# KiCad board squishy-main.kicad_pcb (continued)
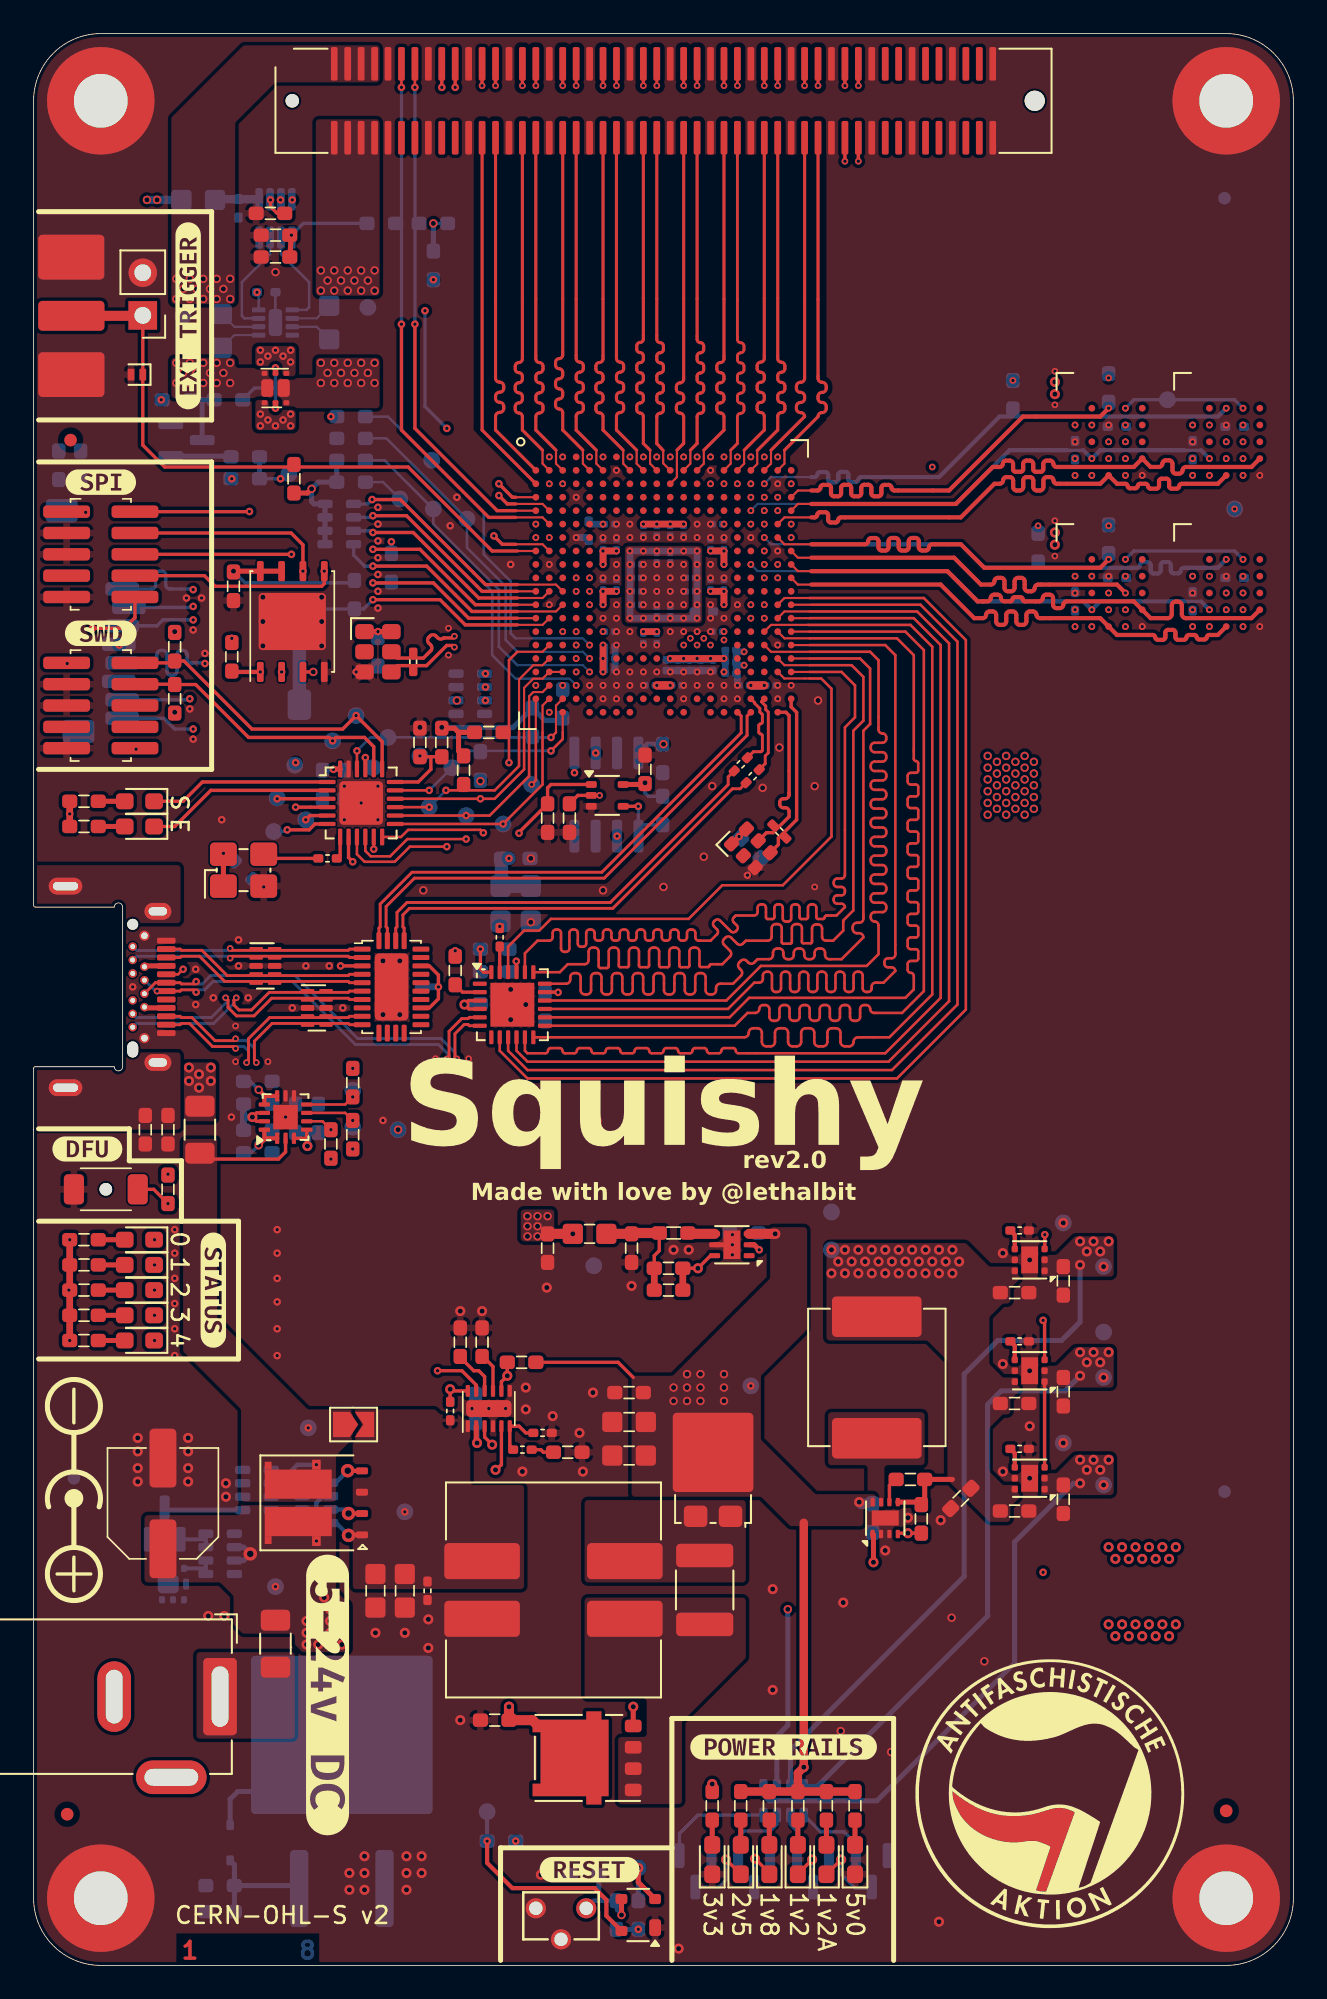
[diagram p0: board, top side]
## Routing (per net, layer and track width the routed paths; a pad name or vN(x,y) marks a point on that pad's centre or on a via; arc(x,y) is an arc through that point) (continued)
/PHY.DBH_DIR: length 21.9
  Top w0.186: J7.24 26.7,91.4 U1.C1
/PHY.DBL_DIR: length 21.9
  Top w0.127: 31.1,90.2 31.1,89.4 U1.B3
  Top w0.186: 31.1,90.2 29.9,91.4 29.9,92.2 arc(29.96,92.35) 30.11,92.41 arc(30.26,92.48) 30.33,92.63 30.33,92.8 arc(30.26,92.95) 30.11,93.01 arc(29.96,93.08) 29.9,93.23 29.9,93.4 arc(29.96,93.55) 30.11,93.61 arc(30.26,93.68) 30.33,93.83 30.33,94 arc(30.26,94.15) 30.11,94.21 arc(29.96,94.28) 29.9,94.43 29.9,94.6 arc(29.96,94.75) 30.11,94.81 arc(30.26,94.88) 30.33,95.03 30.33,95.2 arc(30.26,95.35) 30.11,95.41 arc(29.96,95.48) 29.9,95.63 J7.32
/PHY.DP0: length 21.9
  Top w0.127: 36.7,90.2 36.7,89.4 U1.B10
  Top w0.186: J7.48 36.3,96.81 arc(36.24,96.67) 36.1,96.61 arc(35.96,96.55) 35.91,96.42 35.91,96.21 arc(35.96,96.07) 36.1,96.01 arc(36.24,95.95) 36.3,95.82 36.3,95.61 arc(36.24,95.47) 36.1,95.41 arc(35.96,95.35) 35.91,95.22 35.91,95.01 arc(35.96,94.87) 36.1,94.81 arc(36.24,94.75) 36.3,94.62 36.3,94.41 arc(36.24,94.27) 36.1,94.21 arc(35.96,94.15) 35.91,94.02 35.91,93.81 arc(35.96,93.67) 36.1,93.61 arc(36.24,93.55) 36.3,93.42 36.3,93.21 arc(36.24,93.07) 36.1,93.01 arc(35.96,92.95) 35.91,92.82 35.91,92.61 arc(35.96,92.47) 36.1,92.41 arc(36.24,92.35) 36.3,92.22 36.3,90.6 36.7,90.2
/PHY.DP1: length 25.4
  Top w0.186: J7.35 v3(31.5,111.9)
  In2.Cu w0.177: v3(33.1,89.8) 31.5,91.4 31.5,92.17 arc(31.44,92.31) 31.3,92.37 arc(31.16,92.43) 31.11,92.57 31.11,92.77 arc(31.16,92.91) 31.3,92.97 arc(31.44,93.03) 31.5,93.17 31.5,93.37 arc(31.44,93.51) 31.3,93.57 arc(31.16,93.63) 31.11,93.77 31.11,93.97 arc(31.16,94.11) 31.3,94.17 arc(31.44,94.23) 31.5,94.37 31.5,94.57 arc(31.44,94.71) 31.3,94.77 arc(31.16,94.83) 31.11,94.97 31.11,95.17 arc(31.16,95.31) 31.3,95.37 arc(31.44,95.43) 31.5,95.57 v3(31.5,111.9)
/PHY.I/O: length 21.9
  Top w0.127: 42.3,90.2 42.3,89.4 U1.B16
  Top w0.186: 42.3,90.2 43.5,91.4 43.5,92.23 arc(43.44,92.38) 43.29,92.44 arc(43.14,92.5) 43.07,92.66 43.07,92.83 arc(43.14,92.98) 43.29,93.04 arc(43.44,93.1) 43.5,93.26 43.5,93.43 arc(43.44,93.58) 43.29,93.64 arc(43.14,93.7) 43.07,93.86 43.07,94.03 arc(43.14,94.18) 43.29,94.24 arc(43.44,94.3) 43.5,94.46 43.5,94.63 arc(43.44,94.78) 43.29,94.84 arc(43.14,94.9) 43.07,95.06 43.07,95.23 arc(43.14,95.38) 43.29,95.44 arc(43.44,95.5) 43.5,95.66 J7.66
/PHY.ID_SCL: length 32.9
  Top w0.127: 28.7,86.2 30.3,86.2 U1.F2
  Top w0.152: J7.11 v2(21.9,111.8)
  Top w0.2: v2(21.9,97.7) 21.9,91.4 27.1,86.2 28.7,86.2
  Bottom w0.2: v2(21.9,97.7) v2(21.9,111.8)
/PHY.ID_SDA: length 30.9
  Top w0.127: U1.E1 28.7,86.6
  Top w0.152: J7.13 v2(22.7,111.8)
  Top w0.2: 28.7,86.6 27.6,86.6 22.7,91.5 v2(22.7,97.7)
  Bottom w0.2: v2(22.7,97.7) v2(22.7,111.8)
/PHY.INIT_DIR: length 21.9
  Top w0.127: U1.B12 39.1,89.4 39.1,90.2
  Top w0.186: J7.56 39.5,96.8 arc(39.56,96.66) 39.7,96.6 arc(39.84,96.54) 39.89,96.4 39.89,96.2 arc(39.84,96.06) 39.7,96 arc(39.56,95.94) 39.5,95.8 39.5,95.6 arc(39.56,95.46) 39.7,95.4 arc(39.84,95.34) 39.89,95.2 39.89,95 arc(39.84,94.86) 39.7,94.8 arc(39.56,94.74) 39.5,94.6 39.5,94.4 arc(39.56,94.26) 39.7,94.2 arc(39.84,94.14) 39.89,94 39.89,93.8 arc(39.84,93.66) 39.7,93.6 arc(39.56,93.54) 39.5,93.4 39.5,93.2 arc(39.56,93.06) 39.7,93 arc(39.84,92.94) 39.89,92.8 39.89,92.6 arc(39.84,92.46) 39.7,92.4 arc(39.56,92.34) 39.5,92.2 39.5,90.6 39.1,90.2
/PHY.LS_CTRL0: length 26.7
  Top w0.2: J7.23 v3(26.7,111.9)
  In5.Cu w0.2: v3(30.7,88.2) 27.8,91.1 27.8,93.4 26.7,94.5 v3(26.7,111.9)
/PHY.LS_CTRL1: length 26.7
  Top w0.2: J7.25 v3(27.5,111.9)
  In5.Cu w0.2: v3(27.5,111.9) 27.5,94.5 28.4,93.6 28.4,91.3 v3(31.5,88.2)
/PHY.LS_CTRL2: length 23.3
  Top w0.2: J7.78 v3(48.3,107.4)
  In5.Cu w0.127: 43.1,91 43.1,89.4 v3(41.9,88.2)
  In5.Cu w0.2: v3(48.3,107.4) 48.3,96.2 43.1,91
/PHY.LS_CTRL3: length 23.3
  Top w0.2: J7.80 v3(49.1,107.4)
  In5.Cu w0.127: 43.9,91 43.9,89.4 v3(42.7,88.2)
  In5.Cu w0.2: v3(49.1,107.4) 49.1,96.2 43.9,91
/PHY.LS_CTRL4: length 28.3
  Top w0.2: J7.77 v3(48.3,111.9)
  In5.Cu w0.127: v3(40.3,88.2) 41.5,89.4 41.5,91
  In5.Cu w0.2: 41.5,91 46.7,96.2 46.7,108.3 48.3,109.9 v3(48.3,111.9)
/PHY.LS_CTRL5: length 28.3
  Top w0.2: J7.79 v3(49.1,111.9)
  In5.Cu w0.127: 42.3,91 42.3,89.4 v3(41.1,88.2)
  In5.Cu w0.2: 42.3,91 47.5,96.2 47.5,108.3 49.1,109.9 v3(49.1,111.9)
/PHY.MSG: length 21.9
  Top w0.127: U1.B13 39.9,89.4 39.9,90.2
  Top w0.186: 39.9,90.2 41.1,91.4 41.1,92.2 arc(41.04,92.35) 40.89,92.42 arc(40.74,92.48) 40.67,92.63 40.67,92.8 arc(40.74,92.95) 40.89,93.02 arc(41.04,93.08) 41.1,93.23 41.1,93.4 arc(41.04,93.55) 40.89,93.62 arc(40.74,93.68) 40.67,93.83 40.67,94 arc(40.74,94.15) 40.89,94.22 arc(41.04,94.28) 41.1,94.43 41.1,94.6 arc(41.04,94.75) 40.89,94.82 arc(40.74,94.88) 40.67,95.03 40.67,95.2 arc(40.74,95.35) 40.89,95.42 arc(41.04,95.48) 41.1,95.63 J7.60
/PHY.REQ: length 25.4
  Top w0.17: J7.67 v3(44.3,111.9)
  In2.Cu w0.177: v3(44.3,111.9) 44.3,95.55 arc(44.36,95.41) 44.5,95.35 arc(44.64,95.3) 44.69,95.16 44.69,94.95 arc(44.64,94.81) 44.5,94.75 arc(44.36,94.7) 44.3,94.56 44.3,94.35 arc(44.36,94.21) 44.5,94.15 arc(44.64,94.1) 44.69,93.96 44.69,93.75 arc(44.64,93.61) 44.5,93.55 arc(44.36,93.5) 44.3,93.36 44.3,93.15 arc(44.36,93.01) 44.5,92.95 arc(44.64,92.9) 44.69,92.76 44.69,92.55 arc(44.64,92.41) 44.5,92.35 arc(44.36,92.3) 44.3,92.16 44.3,91.4 v3(42.7,89.8)
/PHY.RST: length 25.4
  Top w0.17: J7.55 v3(39.5,111.9)
  In2.Cu w0.177: v3(39.5,89.8) 39.5,92.2 arc(39.56,92.36) 39.72,92.42 arc(39.88,92.49) 39.94,92.64 39.94,92.8 arc(39.88,92.96) 39.72,93.02 arc(39.56,93.09) 39.5,93.24 39.5,93.4 arc(39.56,93.56) 39.72,93.62 arc(39.88,93.69) 39.94,93.84 39.94,94 arc(39.88,94.16) 39.72,94.22 arc(39.56,94.29) 39.5,94.44 39.5,94.6 arc(39.56,94.76) 39.72,94.82 arc(39.88,94.89) 39.94,95.04 39.94,95.2 arc(39.88,95.36) 39.72,95.42 arc(39.56,95.49) 39.5,95.64 39.5,95.8 arc(39.56,95.96) 39.72,96.02 arc(39.88,96.09) 39.94,96.24 39.94,96.4 arc(39.88,96.56) 39.72,96.62 arc(39.56,96.69) 39.5,96.84 v3(39.5,111.9)
/PHY.RST_DIR: length 25.4
  Top w0.186: J7.59 v3(41.1,111.9)
  In2.Cu w0.177: v3(41.1,111.9) 41.1,95.68 arc(41.03,95.52) 40.86,95.44 40.85,95.44 arc(40.68,95.37) 40.61,95.2 40.61,95.08 arc(40.68,94.92) 40.85,94.84 40.86,94.84 arc(41.03,94.77) 41.1,94.6 41.1,94.48 arc(41.03,94.32) 40.86,94.24 40.85,94.24 arc(40.68,94.17) 40.61,94 40.61,93.88 arc(40.68,93.72) 40.85,93.64 40.86,93.64 arc(41.03,93.57) 41.1,93.4 41.1,93.28 arc(41.03,93.12) 40.86,93.04 40.85,93.04 arc(40.68,92.97) 40.61,92.8 40.61,92.68 arc(40.68,92.52) 40.85,92.44 40.86,92.44 arc(41.03,92.37) 41.1,92.2 41.1,90.6 v3(40.3,89.8)
/PHY.SEL: length 25.4
  Top w0.17: J7.61 v3(41.9,111.9)
  In2.Cu w0.177: v3(41.9,111.9) 41.9,95.65 arc(41.97,95.48) 42.14,95.41 42.15,95.41 arc(42.32,95.34) 42.39,95.17 42.39,95.05 arc(42.32,94.88) 42.15,94.81 42.14,94.81 arc(41.97,94.74) 41.9,94.57 41.9,94.45 arc(41.97,94.28) 42.14,94.21 42.15,94.21 arc(42.32,94.14) 42.39,93.97 42.39,93.85 arc(42.32,93.68) 42.15,93.61 42.14,93.61 arc(41.97,93.54) 41.9,93.37 41.9,93.25 arc(41.97,93.08) 42.14,93.01 42.15,93.01 arc(42.32,92.94) 42.39,92.77 42.39,92.65 arc(42.32,92.48) 42.15,92.41 42.14,92.41 arc(41.97,92.34) 41.9,92.17 41.9,90.6 v3(41.1,89.8)
/PHY.SEL_DIR: length 25.4
  Top w0.186: J7.65 v3(43.5,111.9)
  In2.Cu w0.177: v3(43.5,111.9) 43.5,95.6 arc(43.44,95.47) 43.3,95.41 arc(43.16,95.35) 43.11,95.21 43.11,95 arc(43.16,94.87) 43.3,94.81 arc(43.44,94.75) 43.5,94.61 43.5,94.4 arc(43.44,94.27) 43.3,94.21 arc(43.16,94.15) 43.11,94.01 43.11,93.8 arc(43.16,93.67) 43.3,93.61 arc(43.44,93.55) 43.5,93.41 43.5,93.2 arc(43.44,93.06) 43.3,93.01 arc(43.16,92.95) 43.11,92.81 43.11,92.6 arc(43.16,92.46) 43.3,92.41 arc(43.44,92.35) 43.5,92.21 43.5,91.4 v3(41.9,89.8)
/PHY.TERMPW_EN: length 30.4
  Top w0.127: U1.D1 28.7,87.4
  Top w0.2: v2(27.7,88.2) 28.5,87.4 28.7,87.4 ; J7.19 v2(25.1,111.8)
  In2.Cu w0.2: v2(24.6,91.5) 24.6,91.3 v2(27.7,88.2)
  In5.Cu w0.2: v2(23.3,98.5) 23.3,110.2 24,110.9 24.5,110.9 25.1,111.5 v2(25.1,111.8)
  Bottom w0.2: v2(24.6,91.5) 23.3,92.8 v2(23.3,98.5)
/PHY.TRGT_DIR: length 21.9
  Top w0.127: U1.B17 43.08,89.38 43.08,90.18
  Top w0.186: J7.68 44.3,95.65 arc(44.36,95.5) 44.51,95.44 arc(44.66,95.38) 44.73,95.23 44.73,95.05 arc(44.66,94.9) 44.51,94.84 arc(44.36,94.78) 44.3,94.63 44.3,94.45 arc(44.36,94.3) 44.51,94.24 arc(44.66,94.18) 44.73,94.03 44.73,93.85 arc(44.66,93.7) 44.51,93.64 arc(44.36,93.58) 44.3,93.43 44.3,93.25 arc(44.36,93.1) 44.51,93.04 arc(44.66,92.98) 44.73,92.83 44.73,92.65 arc(44.66,92.5) 44.51,92.44 arc(44.36,92.38) 44.3,92.23 44.3,91.4 43.08,90.18
/PHY.~{PHY_PRSNT}: length 32.5
  Top w0.127: 28.7,87 30.3,87 U1.E2
  Top w0.2: 28.7,87 28.2,87 v2(27.7,87.5) ; J7.17 v2(24.3,111.8)
  In2.Cu w0.2: v2(27.7,87.5) 23.8,91.4 v2(23.8,100.35) 21.9,102.25 21.9,109.4 v2(24.3,111.8)
/Power & Mechanical/ADC_REF: length 2.6
  Bottom w0.5: FB3.2 10.84,105.14 13.42,105.14
/Power & Mechanical/PHY_3V3_SENSE: length 5.9
  Bottom w0.152: U19.1 16.25,98.55 16.4,98.7 16.4,100.2 14.72,101.87 U22.2
/Power & Mechanical/PHY_3v3_SW: length 2.5
  Bottom w0.127: U19.3 16.85,97.55 R52.2
  vias: v4(17.1,95.4) v4(17.1,94.2) v4(17.5,94.8) v4(17.9,95.4) v4(17.9,94.2) v4(18.3,94.8) v4(18.7,95.4) v4(18.7,94.2) v4(19.1,94.8) v4(19.5,95.4) v4(19.5,94.2) v4(19.9,94.8) v4(20.3,95.4) v4(20.3,94.2)
/Power & Mechanical/PHY_5v0_SW: length 2.5
  Bottom w0.127: R53.2 11.95,97.05 U19.5
  vias: v4(8.5,95.4) v4(8.5,94.2) v4(8.9,94.8) v4(9.3,95.4) v4(9.3,94.2) v4(9.7,94.8) v4(10.1,95.4) v4(10.1,94.2) v4(10.5,94.8) v4(10.9,95.4) v4(10.9,94.2) v4(11.3,94.8) v4(11.7,95.4) v4(11.7,94.2)
/Power & Mechanical/PHY_5V_SENSE: length 6.4
  Bottom w0.152: U19.7 12.55,98.05 12.4,98.2 12.4,100.2 14.08,101.87 U22.3
/Power & Mechanical/PSU_EN: length 31.6
  Top w0.3: U4.2 36,4.95 v1(36,5.8) ; U23.1 50,25.63 v1(50,24)
  In2.Cu w0.3: v1(36,5.8) 38.8,5.8 42,9 42,12.6 50,20.6 v1(50,24)
  Bottom w0.3: R40.2 v1(36,5.8)
/Power & Mechanical/SEPIC_GOOD: length 45.5
  Top w0.2: U13.11 26.35,34.55 25.5,35.4 v2(24.05,35.4)
  Top w0.25: v2(27,7.4) 27,6.1 28.5,4.6 33.4,4.6 34.1,3.9 34.1,2.95 U4.4
  In5.Cu w0.25: v2(27,7.4) 24.05,10.35 24.05,35.05 v2(24.05,35.4)
  Bottom w0.25: TP47.1 v2(27,7.4)
/PWR_PHY_3v3: length 2.5
  Bottom w0.127: U19.2 16.85,98.05 R52.1
  vias: v4(17.1,100.9) v4(17.1,99.7) v4(17.5,100.3) v4(17.9,100.9) v4(17.9,99.7) v4(18.3,100.3) v4(18.7,100.9) v4(18.7,99.7) v4(19.1,100.3) v4(19.5,100.9) v4(19.5,99.7) v4(19.9,100.3) v4(20.3,100.9) v4(20.3,99.7)
/PWR_PHY_5v0: length 2.5
  Bottom w0.127: U19.6 11.95,97.55 R53.1
  vias: v4(8.5,100.4) v4(8.5,99.2) v4(8.9,99.8) v4(9.3,100.4) v4(9.3,99.2) v4(9.7,99.8) v4(10.1,100.4) v4(10.1,99.2) v4(10.5,99.8) v4(10.9,100.4) v4(10.9,99.2) v4(11.3,99.8) v4(11.7,100.4) v4(11.7,99.2)
/RAM.CLK0+: length 34
  In2.Cu w0.2: v1(60.8,94.26) 61,94.06 68.87,94.06 69.66,93.27 69.66,92.04 v3(70,91.7)
  In5.Cu w0.2: v3(63,91.7) 62.66,92.04 62.66,93.27 61.87,94.06 61,94.06 v1(60.8,94.26) 60.6,94.06 60.13,94.06 54.03,87.96 45.73,87.96 45.36,87.59 45.14,87.59 45.1,87.63 v3(45.1,88.2)
/RAM.CLK0-: length 34.2
  In2.Cu w0.2: v3(69,91.7) 69.34,92.04 69.34,93.13 69.23,93.24 arc(69.12,93.29) 69.01,93.24 68.95,93.18 arc(68.84,93.13) 68.73,93.18 68.67,93.23 arc(68.62,93.34) 68.67,93.45 68.73,93.52 arc(68.78,93.63) 68.73,93.74 61,93.74 v1(60.8,93.54)
  In5.Cu w0.2: v3(44.3,87.4) 44.87,87.4 45.01,87.26 45.49,87.26 45.87,87.64 54.17,87.64 60.27,93.74 60.6,93.74 v1(60.8,93.54) 61,93.74 61.73,93.74 arc(61.78,93.62) 61.73,93.5 61.69,93.45 arc(61.64,93.33) 61.69,93.22 61.75,93.16 arc(61.87,93.11) 61.98,93.16 62.03,93.2 arc(62.15,93.25) 62.27,93.2 62.34,93.13 62.34,92.04 v3(62,91.7)
/RAM.CLK1+: length 32.7
  In2.Cu w0.2: 60.8,84.54 61,84.74 ; v3(69,82.7) 69.34,83.04 69.34,84.15 69.23,84.25 arc(69.12,84.3) 69.02,84.25 68.95,84.18 arc(68.84,84.14) 68.73,84.18 68.68,84.24 arc(68.64,84.35) 68.68,84.45 68.75,84.52 arc(68.79,84.63) 68.75,84.74 60.96,84.74 v1(60.8,84.57)
  In5.Cu w0.2: v3(45.1,85) 45.34,85.24 46.5,85.24 arc(46.57,85.21) 46.6,85.14 46.6,85.1 arc(46.72,84.8) 47.02,84.67 47.15,84.67 arc(47.45,84.8) 47.58,85.1 47.58,85.14 arc(47.61,85.21) 47.68,85.24 47.8,85.24 arc(47.87,85.21) 47.9,85.14 47.9,85.1 arc(48.03,84.8) 48.33,84.67 48.46,84.67 arc(48.76,84.8) 48.88,85.1 48.88,85.14 arc(48.91,85.21) 48.98,85.24 55.73,85.24 56.23,84.74 60.6,84.74 60.8,84.54 61,84.74 61.73,84.74 arc(61.78,84.63) 61.73,84.52 61.67,84.45 arc(61.62,84.34) 61.67,84.23 61.73,84.18 arc(61.84,84.13) 61.95,84.18 62.01,84.24 arc(62.12,84.29) 62.23,84.24 62.34,84.13 62.34,83.04 v3(62,82.7)
/RAM.CLK1-: length 32.4
  In2.Cu w0.2: v3(70,82.7) 69.66,83.04 69.66,84.28 68.88,85.06 61,85.06 60.8,85.26
  In5.Cu w0.2: v3(63,82.7) 62.66,83.04 62.66,84.27 61.87,85.06 61,85.06 60.8,85.26 60.6,85.06 56.37,85.06 55.87,85.56 48.98,85.56 arc(48.68,85.44) 48.56,85.14 48.56,85.1 arc(48.53,85.03) 48.46,85 48.33,85 arc(48.26,85.03) 48.23,85.1 48.23,85.14 arc(48.11,85.44) 47.8,85.56 47.68,85.56 arc(47.37,85.44) 47.25,85.14 47.25,85.1 arc(47.22,85.03) 47.15,85 47.02,85 arc(46.95,85.03) 46.92,85.1 46.92,85.14 arc(46.8,85.44) 46.5,85.56 45.34,85.56 v3(45.1,85.8)
  vias: v1(60.8,85.3)
/RAM.DQE0: length 30.7
  In5.Cu w0.127: 46.3,87 45.7,87 45.6,86.9 44.9,86.9 44.8,87 43.9,87 v3(43.5,86.6)
  In5.Cu w0.25: 46.3,87 54.9,87 57.1,89.2 57.66,89.2 arc(57.76,89.24) 57.81,89.35 arc(57.85,89.46) 57.96,89.5 58.31,89.5 arc(58.41,89.46) 58.46,89.35 58.46,89.07 arc(58.49,88.99) 58.58,88.95 58.93,88.95 arc(59.02,88.99) 59.06,89.07 arc(59.09,89.16) 59.18,89.2 63.5,89.2 v3(64,89.7) 64.5,89.2 65.65,89.2 arc(65.74,89.24) 65.78,89.32 arc(65.81,89.41) 65.9,89.45 66.32,89.45 arc(66.41,89.41) 66.45,89.32 66.45,89.07 arc(66.49,88.99) 66.57,88.95 66.93,88.95 arc(67.01,88.99) 67.05,89.07 arc(67.09,89.16) 67.18,89.2 70.5,89.2 v3(71,89.7)
/RAM.DQE1: length 29.4
  Bottom w0.127: v3(42.7,86.6) 43.1,87 46.3,87
  Bottom w0.2: 68.5,90.2 69.5,90.2 ; 62.5,90.2 61.5,90.2
  Bottom w0.25: 61.5,90.2 58.1,90.2 54.9,87 46.3,87 ; v3(70,89.7) 69.5,90.2 ; 68.5,90.2 63.5,90.2 v3(63,89.7) 62.5,90.2
/RAM.DQE2: length 32.4
  In2.Cu w0.127: v3(43.5,87.4) 43.9,87.8 46.3,87.8
  In2.Cu w0.25: 46.3,87.8 54.5,87.8 56.9,90.2 57.54,90.2 arc(57.66,90.25) 57.72,90.38 arc(57.77,90.51) 57.9,90.56 58.15,90.56 arc(58.28,90.51) 58.34,90.38 58.34,90.04 arc(58.38,89.93) 58.49,89.89 58.78,89.89 arc(58.89,89.93) 58.94,90.04 arc(58.98,90.15) 59.09,90.2 64.5,90.2 v3(65,90.7) 65.5,90.2 66,90.2 arc(66.09,90.16) 66.13,90.07 arc(66.17,89.97) 66.27,89.93 66.67,89.93 arc(66.76,89.97) 66.8,90.07 66.8,90.34 arc(66.84,90.44) 66.94,90.49 67.26,90.49 arc(67.36,90.44) 67.4,90.34 67.4,90.07 arc(67.44,89.99) 67.53,89.95 67.88,89.95 arc(67.96,89.99) 68,90.07 arc(68.04,90.16) 68.12,90.2 71.5,90.2 v3(72,90.7)
/RAM.DQE3: length 32.3
  In2.Cu w0.127: 46.3,87 44.7,87 v3(44.3,86.6)
  In2.Cu w0.25: v3(72,89.7) 71.5,89.2 68.1,89.2 arc(68.01,89.24) 67.97,89.32 arc(67.94,89.41) 67.85,89.45 67.5,89.45 arc(67.41,89.41) 67.38,89.32 67.38,89.05 arc(67.33,88.95) 67.23,88.91 66.92,88.91 arc(66.82,88.95) 66.78,89.05 66.78,89.32 arc(66.74,89.41) 66.65,89.45 66.25,89.45 arc(66.16,89.41) 66.12,89.32 arc(66.09,89.24) 66,89.2 65.5,89.2 v3(65,89.7) 64.5,89.2 60.23,89.2 arc(60.14,89.16) 60.1,89.07 arc(60.06,88.97) 59.97,88.93 59.63,88.93 arc(59.54,88.97) 59.5,89.07 59.5,89.36 arc(59.45,89.48) 59.34,89.52 59.06,89.52 arc(58.95,89.48) 58.9,89.36 58.9,89.06 arc(58.86,88.97) 58.76,88.93 58.44,88.93 arc(58.34,88.97) 58.3,89.06 58.3,89.38 arc(58.25,89.52) 58.12,89.57 57.87,89.57 arc(57.74,89.52) 57.68,89.38 arc(57.63,89.25) 57.5,89.2 57.1,89.2 54.9,87 46.3,87
/RAM.DQE4: length 33.2
  Top w0.127: U1.E20 45.5,87 46.3,87
  Top w0.25: U3.D5 72.5,89.2 68.6,89.2 arc(68.46,89.14) 68.4,89 arc(68.34,88.86) 68.2,88.8 68,88.8 arc(67.86,88.86) 67.8,89 67.8,89.4 arc(67.74,89.54) 67.6,89.6 67.4,89.6 arc(67.26,89.54) 67.2,89.4 arc(67.14,89.26) 67,89.2 66.5,89.2 U2.D5 65.5,89.2 60.9,89.2 arc(60.77,89.26) 60.71,89.39 arc(60.66,89.52) 60.52,89.58 60.3,89.58 arc(60.17,89.52) 60.11,89.39 60.11,89.06 arc(60.07,88.96) 59.97,88.92 59.65,88.92 arc(59.55,88.96) 59.51,89.06 59.51,89.39 arc(59.45,89.53) 59.32,89.58 59.1,89.58 arc(58.97,89.53) 58.91,89.39 58.91,89.06 arc(58.87,88.96) 58.77,88.92 58.45,88.92 arc(58.35,88.96) 58.31,89.06 58.31,89.39 arc(58.26,89.52) 58.12,89.58 57.89,89.58 arc(57.76,89.52) 57.7,89.39 arc(57.64,89.26) 57.51,89.2 57.1,89.2 54.9,87 46.3,87
/RAM.DQE5: length 33.7
  Top w0.127: U1.F19 44.7,86.2 46.3,86.2
  Top w0.25: 46.3,86.2 46.5,86.2 arc(46.61,86.24) 46.65,86.35 arc(46.7,86.46) 46.81,86.51 47.15,86.51 arc(47.26,86.46) 47.3,86.35 47.3,86.05 arc(47.34,85.94) 47.45,85.89 47.75,85.89 arc(47.86,85.94) 47.9,86.05 arc(47.94,86.16) 48.05,86.2 55.2,86.2 57.2,88.2 57.51,88.2 arc(57.66,88.26) 57.71,88.4 arc(57.77,88.54) 57.91,88.6 58.11,88.6 arc(58.26,88.54) 58.31,88.4 58.31,88 arc(58.37,87.86) 58.51,87.8 58.71,87.8 arc(58.86,87.86) 58.91,88 58.91,88.4 arc(58.97,88.54) 59.11,88.6 59.31,88.6 arc(59.46,88.54) 59.51,88.4 59.51,88 arc(59.57,87.86) 59.71,87.8 59.91,87.8 arc(60.06,87.86) 60.11,88 60.11,88.4 arc(60.17,88.54) 60.31,88.6 60.51,88.6 arc(60.66,88.54) 60.71,88.4 arc(60.77,88.26) 60.91,88.2 63.5,88.2 U2.E3 64.5,88.2 65,88.2 arc(65.09,88.16) 65.13,88.07 arc(65.17,87.97) 65.27,87.93 65.6,87.93 arc(65.69,87.97) 65.73,88.07 arc(65.77,88.16) 65.87,88.2 66.2,88.2 arc(66.3,88.16) 66.34,88.06 arc(66.39,87.95) 66.49,87.91 66.86,87.91 arc(66.96,87.95) 67,88.06 67,88.35 arc(67.04,88.46) 67.15,88.5 67.45,88.5 arc(67.56,88.46) 67.6,88.35 67.6,88.06 arc(67.64,87.95) 67.74,87.91 68.06,87.91 arc(68.16,87.95) 68.2,88.06 arc(68.24,88.16) 68.34,88.2 70.5,88.2 U3.E3
/RAM.DQE6: length 32.2
  In2.Cu w0.127: 46.3,86.2 43.9,86.2 v3(43.5,85.8)
  In2.Cu w0.25: v3(70,88.7) 69.5,88.2 66.65,88.2 arc(66.54,88.16) 66.5,88.05 arc(66.46,87.94) 66.35,87.9 66.05,87.9 arc(65.94,87.94) 65.9,88.05 arc(65.86,88.16) 65.75,88.2 65.51,88.2 arc(65.4,88.15) 65.35,88.04 arc(65.3,87.93) 65.19,87.88 64.91,87.88 arc(64.8,87.93) 64.75,88.04 64.75,88.32 arc(64.71,88.41) 64.62,88.45 64.25,88.45 arc(64.16,88.41) 64.12,88.32 arc(64.09,88.24) 64,88.2 63.5,88.2 v3(63,88.7) 62.5,88.2 60.89,88.2 arc(60.75,88.26) 60.69,88.4 arc(60.63,88.54) 60.49,88.6 60.29,88.6 arc(60.15,88.54) 60.09,88.4 60.09,88 arc(60.03,87.86) 59.89,87.8 59.69,87.8 arc(59.55,87.86) 59.49,88 59.49,88.4 arc(59.43,88.54) 59.29,88.6 59.09,88.6 arc(58.95,88.54) 58.89,88.4 58.89,88 arc(58.83,87.86) 58.69,87.8 58.49,87.8 arc(58.35,87.86) 58.29,88 58.29,88.4 arc(58.23,88.54) 58.09,88.6 57.89,88.6 arc(57.75,88.54) 57.69,88.4 arc(57.63,88.26) 57.49,88.2 57.2,88.2 55.2,86.2 46.3,86.2
/RAM.DQE7: length 29.9
  In5.Cu w0.127: 46.3,86.2 43.1,86.2 v3(42.7,85.8)
  In5.Cu w0.25: 46.3,86.2 55.2,86.2 57.2,88.2 57.49,88.2 arc(57.61,88.25) 57.66,88.37 arc(57.71,88.5) 57.83,88.55 58.11,88.55 arc(58.23,88.5) 58.29,88.37 58.29,88.02 arc(58.34,87.9) 58.46,87.84 58.71,87.84 arc(58.83,87.9) 58.89,88.02 58.89,88.35 arc(58.93,88.46) 59.04,88.51 59.33,88.51 arc(59.44,88.46) 59.49,88.35 59.49,88.03 arc(59.54,87.9) 59.66,87.85 59.91,87.85 arc(60.03,87.9) 60.09,88.03 arc(60.14,88.15) 60.26,88.2 61.5,88.2 v3(62,88.7) 62.5,88.2 68.5,88.2 v3(69,88.7)
/RAM.DQO0: length 29.5
  In5.Cu w0.127: 46.3,83 43.9,83 v3(43.5,83.4)
  In5.Cu w0.25: v3(71,80.7) 70.5,80.2 66.15,80.2 arc(66.01,80.26) 65.95,80.4 arc(65.89,80.54) 65.75,80.6 65.55,80.6 arc(65.41,80.54) 65.35,80.4 arc(65.29,80.26) 65.15,80.2 64.5,80.2 v3(64,80.7) 63.5,81.2 56.2,81.2 54.4,83 46.3,83
/RAM.DQO1: length 28.8
  Bottom w0.127: 46.3,83 43.1,83 v3(42.7,83.4)
  Bottom w0.2: 68.5,81.2 69.5,81.2 ; 61.5,81.2 62.5,81.2
  Bottom w0.25: 68.5,81.2 63.5,81.2 v3(63,80.7) 62.5,81.2 ; 61.5,81.2 56.2,81.2 54.4,83 46.3,83 ; 69.5,81.2 v3(70,80.7)
/RAM.DQO2: length 31.8
  Top w0.127: U1.H20 45.5,83.8 46.3,83.8
  Top w0.25: 46.3,83.8 54.8,83.8 56.4,82.2 57,82.2 arc(57.14,82.26) 57.2,82.4 arc(57.26,82.54) 57.4,82.6 57.6,82.6 arc(57.74,82.54) 57.8,82.4 57.8,82 arc(57.86,81.86) 58,81.8 58.2,81.8 arc(58.34,81.86) 58.4,82 58.4,82.4 arc(58.46,82.54) 58.6,82.6 58.8,82.6 arc(58.94,82.54) 59,82.4 59,82 arc(59.06,81.86) 59.2,81.8 59.4,81.8 arc(59.54,81.86) 59.6,82 arc(59.66,82.14) 59.8,82.2 64.5,82.2 v3(65,81.7)
  In2.Cu w0.25: v3(72,81.7) 71.5,81.2 70.85,81.2 arc(70.75,81.24) 70.71,81.34 arc(70.67,81.43) 70.58,81.47 70.25,81.47 arc(70.15,81.43) 70.11,81.34 arc(70.07,81.24) 69.98,81.2 67.8,81.2 arc(67.7,81.24) 67.65,81.35 arc(67.61,81.45) 67.51,81.49 67.15,81.49 arc(67.04,81.45) 67,81.35 67,81.05 arc(66.96,80.95) 66.85,80.91 66.55,80.91 arc(66.44,80.95) 66.4,81.05 arc(66.36,81.16) 66.25,81.2 65.5,81.2 v3(65,81.7)
/RAM.DQO3: length 31.6
  In2.Cu w0.127: v3(44.3,83.4) 44.7,83 46.3,83
  In2.Cu w0.25: v3(72,80.7) 71.5,80.2 arc(71.4,80.16) 71.35,80.05 arc(71.31,79.95) 71.21,79.91 70.9,79.91 arc(70.8,79.95) 70.75,80.05 arc(70.71,80.16) 70.61,80.2 68.35,80.2 arc(68.26,80.16) 68.22,80.07 arc(68.18,79.98) 68.09,79.94 67.71,79.94 arc(67.61,79.98) 67.57,80.07 67.57,80.36 arc(67.53,80.46) 67.42,80.51 67.13,80.51 arc(67.02,80.46) 66.97,80.36 arc(66.93,80.25) 66.82,80.2 65.5,80.2 v3(65,80.7) 64.5,81.2 58.66,81.2 arc(58.56,81.24) 58.51,81.35 arc(58.47,81.45) 58.37,81.5 58.06,81.5 arc(57.96,81.45) 57.91,81.35 57.91,81.07 arc(57.88,80.99) 57.79,80.95 57.44,80.95 arc(57.35,80.99) 57.31,81.07 57.31,81.37 arc(57.26,81.5) 57.14,81.55 56.86,81.55 arc(56.74,81.5) 56.69,81.37 arc(56.64,81.25) 56.51,81.2 56.2,81.2 54.4,83 46.3,83
/RAM.DQO4: length 32.8
  Top w0.127: U1.J20 45.5,83 46.3,83
  Top w0.25: 46.3,83 54.4,83 56.2,81.2 56.78,81.2 arc(56.92,81.26) 56.98,81.4 arc(57.04,81.54) 57.18,81.6 57.39,81.6 arc(57.53,81.54) 57.59,81.4 arc(57.65,81.26) 57.79,81.2 58.15,81.2 arc(58.24,81.24) 58.28,81.32 arc(58.31,81.41) 58.4,81.45 58.76,81.45 arc(58.85,81.41) 58.88,81.32 arc(58.92,81.24) 59.01,81.2 59.88,81.2 arc(60.02,81.26) 60.08,81.4 arc(60.14,81.54) 60.28,81.6 60.49,81.6 arc(60.63,81.54) 60.69,81.4 60.69,81 arc(60.75,80.86) 60.89,80.8 61.1,80.8 arc(61.24,80.86) 61.3,81 arc(61.36,81.14) 61.5,81.2 65.5,81.2 U14.D5 66.5,80.2 67.52,80.2 arc(67.69,80.27) 67.76,80.44 67.76,80.95 arc(67.83,81.12) 68,81.19 68.12,81.19 arc(68.29,81.12) 68.36,80.95 68.36,80.44 arc(68.43,80.27) 68.6,80.2 72.5,80.2 U15.D5
/RAM.DQO5: length 32
  Top w0.127: U1.K20 45.5,82.2 46.3,82.2
  Top w0.25: U15.E3 70.5,79.2 69.98,79.2 arc(69.88,79.16) 69.84,79.07 arc(69.8,78.97) 69.71,78.93 69.38,78.93 arc(69.28,78.97) 69.24,79.07 arc(69.2,79.16) 69.11,79.2 68.78,79.2 arc(68.67,79.16) 68.63,79.06 arc(68.59,78.95) 68.49,78.91 68.12,78.91 arc(68.02,78.95) 67.98,79.06 67.98,79.35 arc(67.93,79.46) 67.82,79.5 67.53,79.5 arc(67.42,79.46) 67.38,79.35 67.38,79.06 arc(67.33,78.95) 67.23,78.91 66.92,78.91 arc(66.82,78.95) 66.78,79.06 arc(66.73,79.16) 66.63,79.2 64.5,79.2 U14.E3 63.5,80.2 59.9,80.2 arc(59.76,80.26) 59.7,80.4 arc(59.64,80.54) 59.5,80.6 59.3,80.6 arc(59.16,80.54) 59.1,80.4 59.1,80 arc(59.04,79.86) 58.9,79.8 58.7,79.8 arc(58.56,79.86) 58.5,80 58.5,80.4 arc(58.44,80.54) 58.3,80.6 58.1,80.6 arc(57.96,80.54) 57.9,80.4 57.9,80 arc(57.84,79.86) 57.7,79.8 57.5,79.8 arc(57.36,79.86) 57.3,80 57.3,80.4 arc(57.24,80.54) 57.1,80.6 56.9,80.6 arc(56.76,80.54) 56.7,80.4 arc(56.64,80.26) 56.5,80.2 56,80.2 54,82.2 46.3,82.2
/RAM.DQO6: length 31.4
  In2.Cu w0.127: v3(44.3,82.6) 44.7,82.2 46.3,82.2
  In2.Cu w0.25: 46.3,82.2 54,82.2 56,80.2 56.46,80.2 arc(56.6,80.26) 56.66,80.4 arc(56.72,80.54) 56.86,80.6 57.06,80.6 arc(57.2,80.54) 57.26,80.4 57.26,80 arc(57.32,79.86) 57.46,79.8 57.66,79.8 arc(57.8,79.86) 57.86,80 57.86,80.4 arc(57.92,80.54) 58.06,80.6 58.26,80.6 arc(58.4,80.54) 58.46,80.4 58.46,80 arc(58.52,79.86) 58.66,79.8 58.86,79.8 arc(59,79.86) 59.06,80 59.06,80.4 arc(59.12,80.54) 59.26,80.6 59.46,80.6 arc(59.6,80.54) 59.66,80.4 arc(59.72,80.26) 59.86,80.2 62.5,80.2 v3(63,79.7) 63.5,79.2 66.87,79.2 arc(66.96,79.16) 67,79.07 arc(67.04,78.99) 67.13,78.95 67.47,78.95 arc(67.56,78.99) 67.6,79.07 67.6,79.34 arc(67.64,79.43) 67.74,79.47 68.06,79.47 arc(68.16,79.43) 68.2,79.34 68.2,79.07 arc(68.24,78.99) 68.33,78.95 68.75,78.95 arc(68.84,78.99) 68.87,79.07 arc(68.91,79.16) 69,79.2 69.5,79.2 v3(70,79.7)
/RAM.DQO7: length 30.1
  In5.Cu w0.127: 46.3,82.2 43.9,82.2 v3(43.5,82.6)
  In5.Cu w0.25: v3(69,79.7) 68.5,79.2 62.5,79.2 v3(62,79.7) 61.5,80.2 59.9,80.2 arc(59.76,80.26) 59.7,80.4 arc(59.64,80.54) 59.5,80.6 59.3,80.6 arc(59.16,80.54) 59.1,80.4 59.1,80 arc(59.04,79.86) 58.9,79.8 58.7,79.8 arc(58.56,79.86) 58.5,80 58.5,80.4 arc(58.44,80.54) 58.3,80.6 58.1,80.6 arc(57.96,80.54) 57.9,80.4 57.9,80 arc(57.84,79.86) 57.7,79.8 57.5,79.8 arc(57.36,79.86) 57.3,80 57.3,80.4 arc(57.24,80.54) 57.1,80.6 56.9,80.6 arc(56.76,80.54) 56.7,80.4 arc(56.64,80.26) 56.5,80.2 56,80.2 54,82.2 46.3,82.2
/RAM.RWDS: length 47.3
  In2.Cu w0.127: v3(43.5,84.2) 43.9,83.8 46.3,83.8
  In2.Cu w0.25: 46.3,83.8 54.8,83.8 56.4,82.2 57,82.2 arc(57.14,82.26) 57.2,82.4 arc(57.26,82.54) 57.4,82.6 57.6,82.6 arc(57.74,82.54) 57.8,82.4 57.8,82.05 arc(57.84,81.94) 57.95,81.9 58.25,81.9 arc(58.36,81.94) 58.4,82.05 58.4,82.4 arc(58.46,82.54) 58.6,82.6 58.8,82.6 arc(58.94,82.54) 59,82.4 arc(59.06,82.26) 59.2,82.2 63.5,82.2 v3(64,81.7)
  In5.Cu w0.25: v3(64,90.7) 64.5,90.2 70.5,90.2 v3(71,90.7) 71.5,90.2 v3(71.5,86.7) 71.5,82.2 v3(71,81.7) 70.5,81.2 64.5,81.2 v3(64,81.7)